# Altium PCB RFID_DACS-01.PcbDoc (part 1 of 2)
Units mil, origin at the board's own origin, x right, y up, seen from the top; angles counter-clockwise.
Board outline 4330.71 x 2755.91 mil, 2 copper layers (Top Layer, Bottom Layer); 189 components, 142 nets, 630 pads, 156 vias.
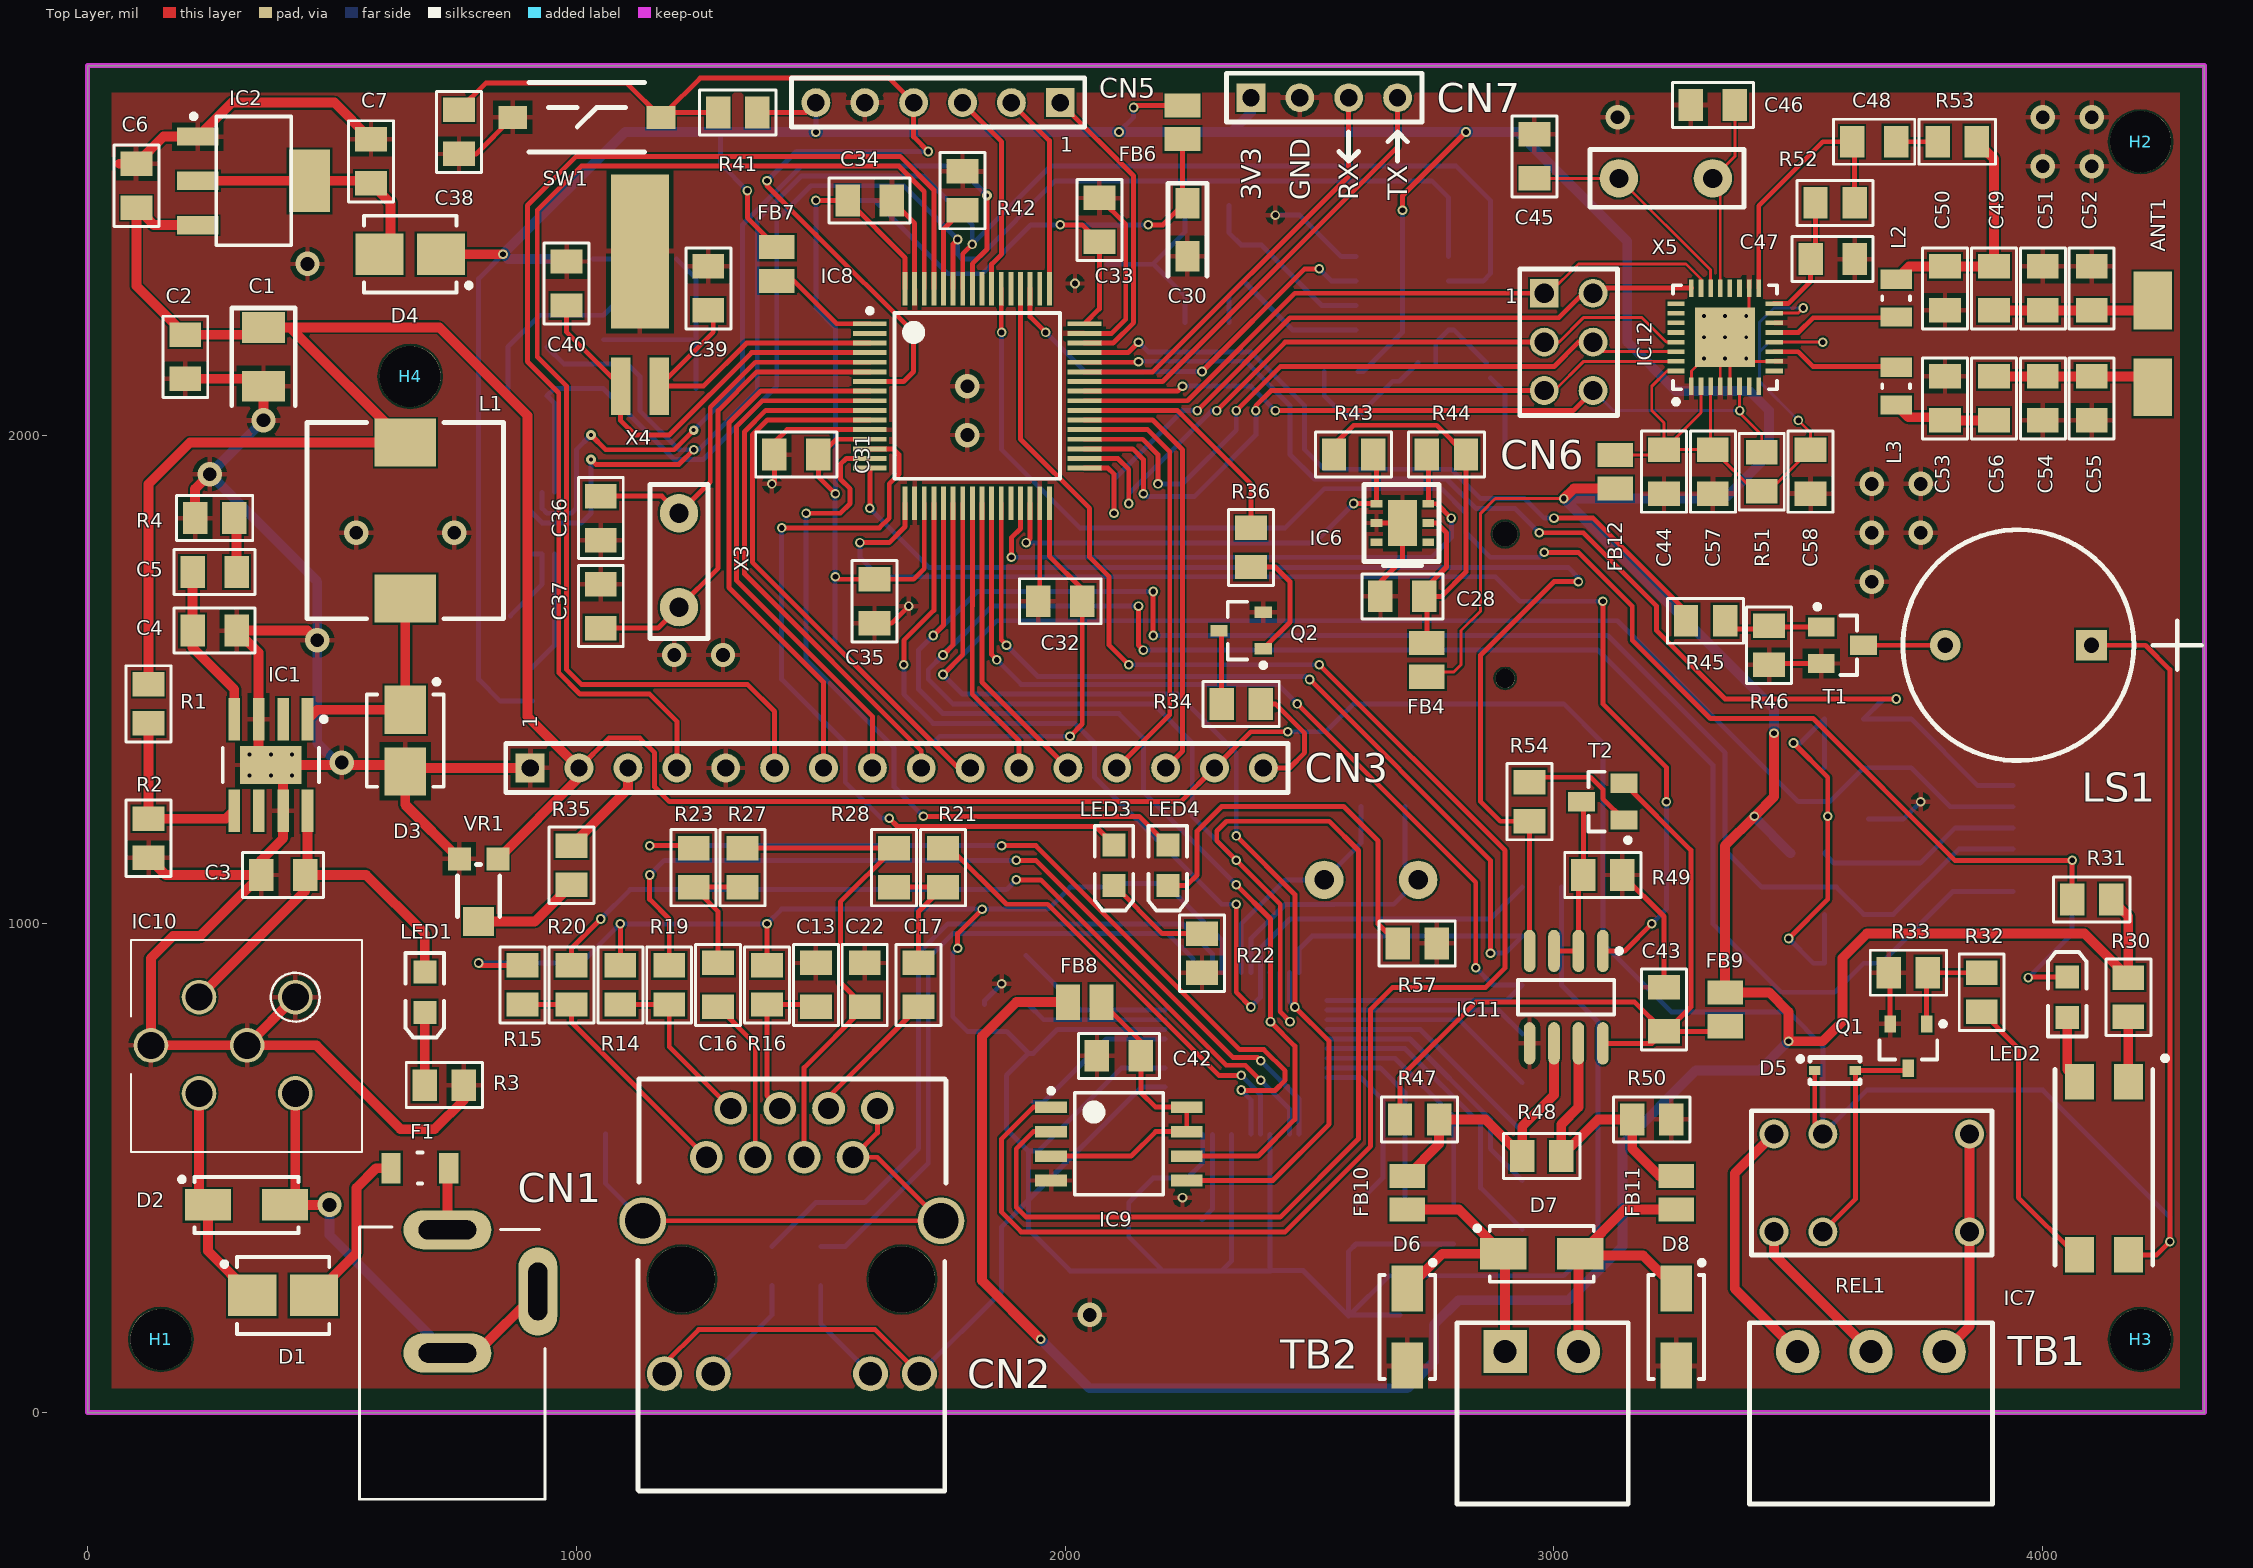
[diagram p0: Top Layer view]
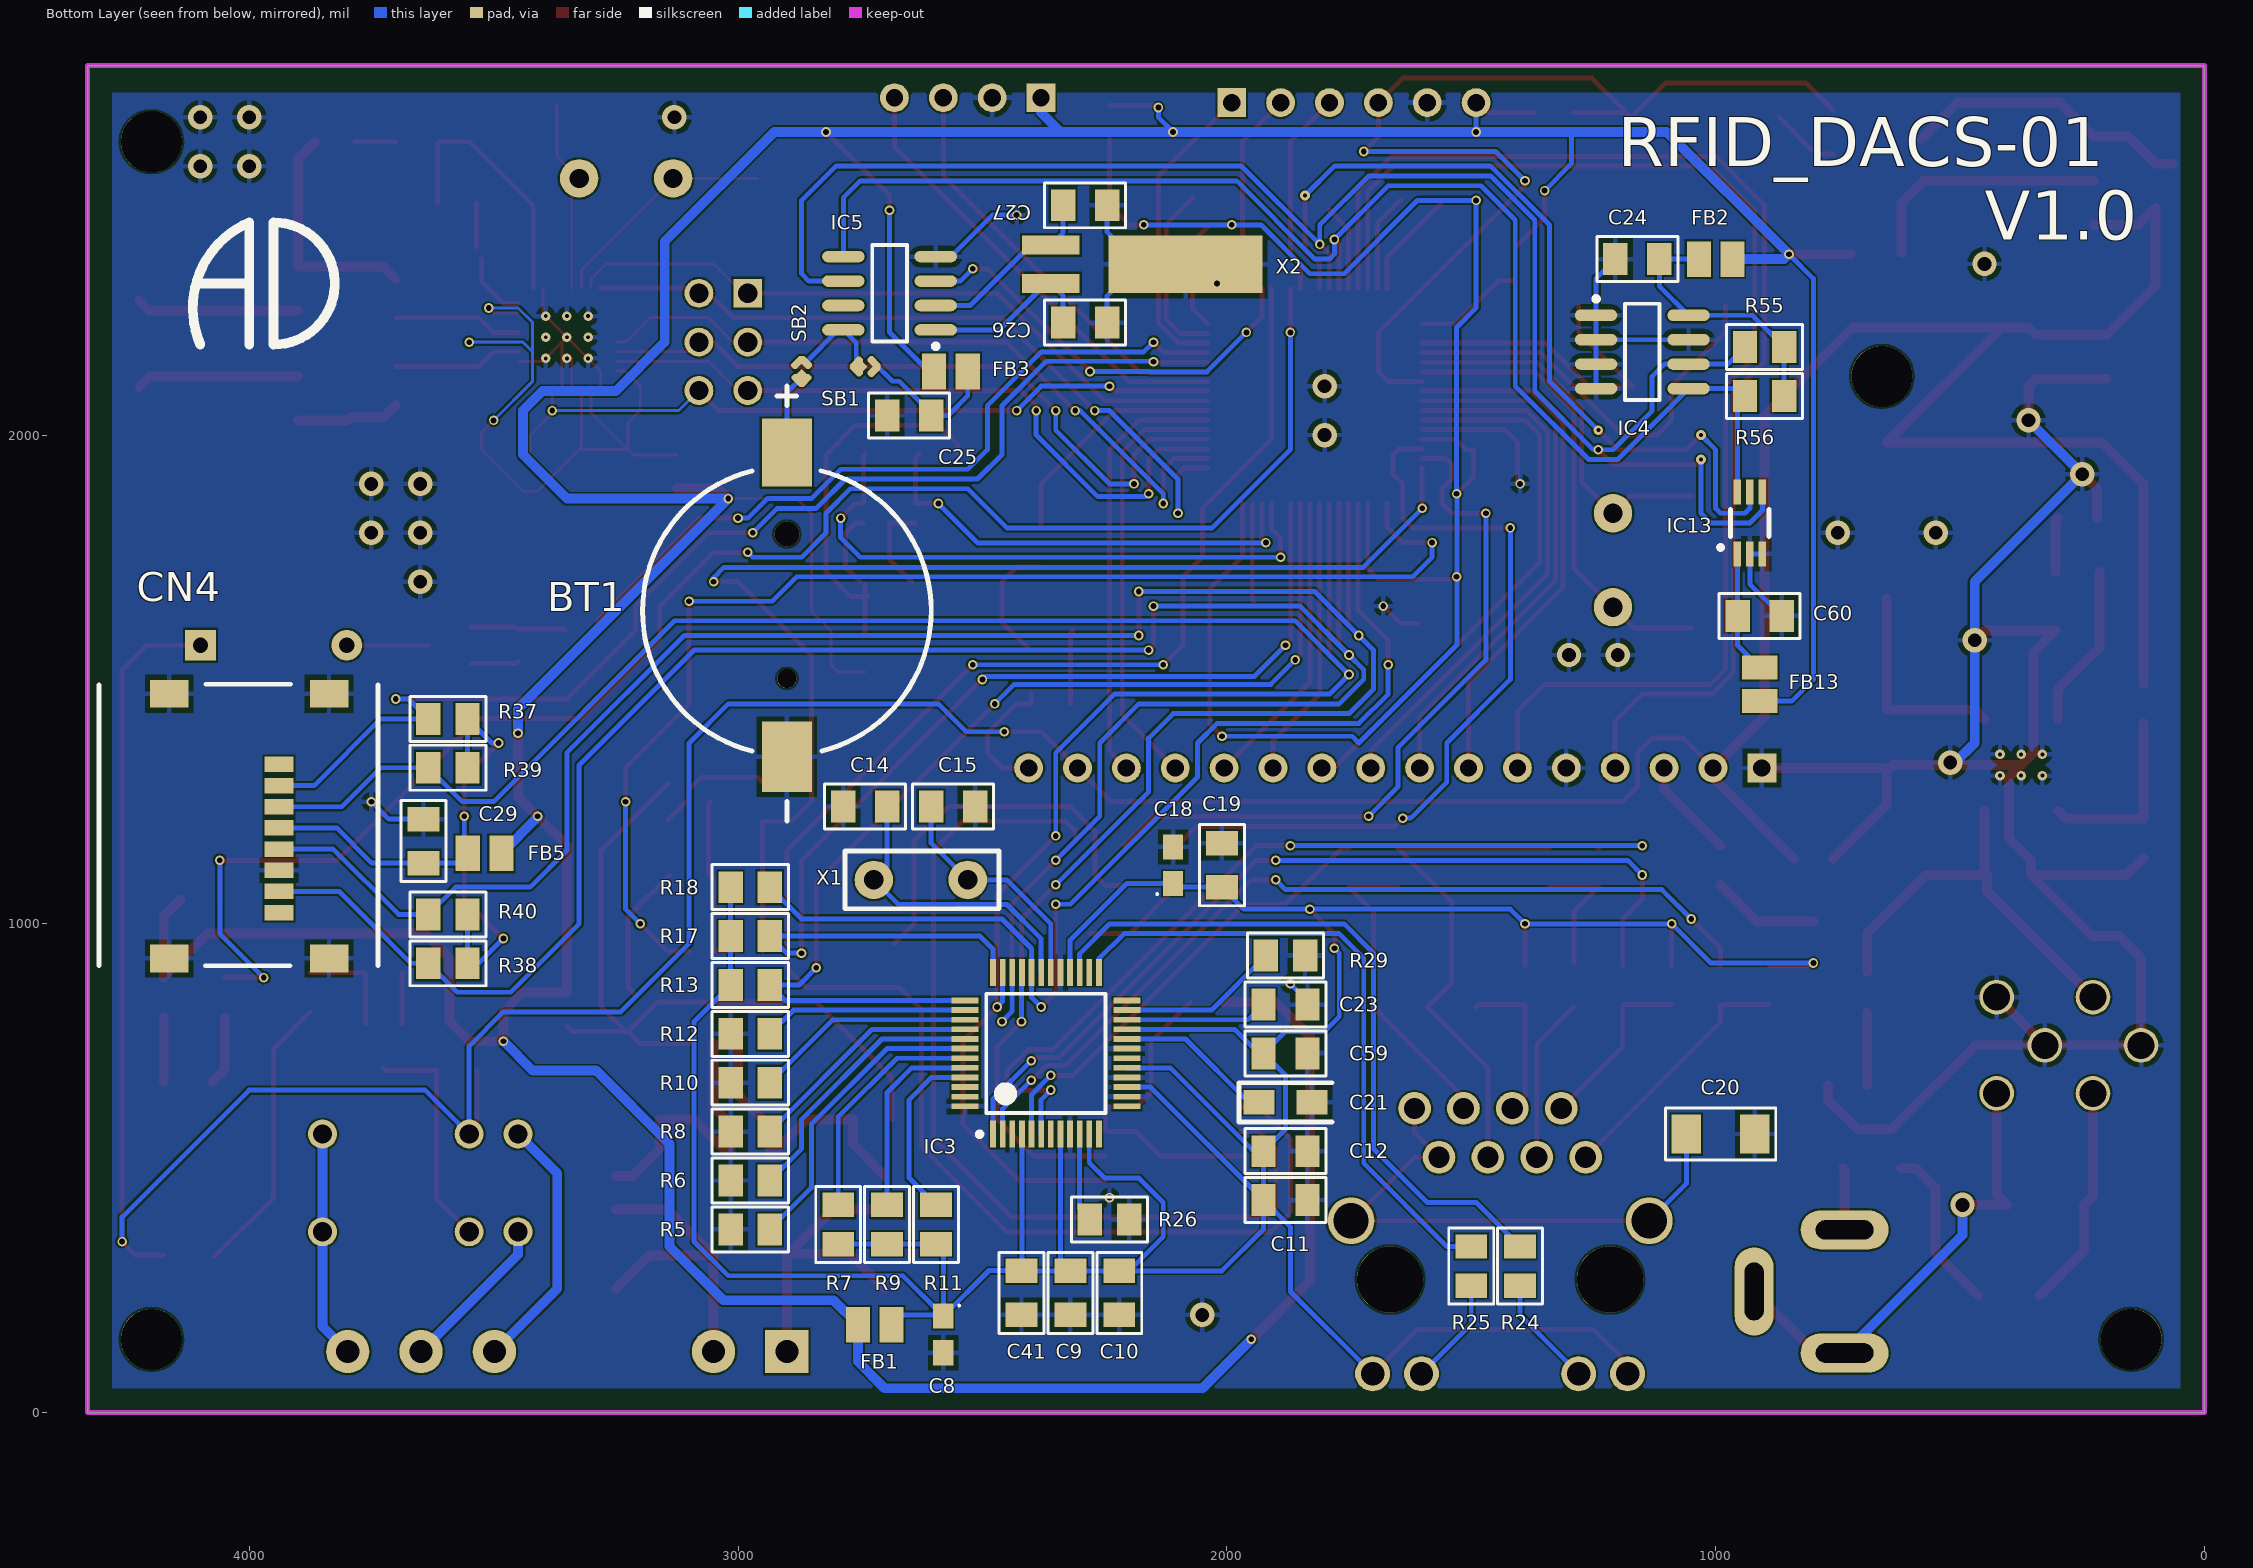
[diagram p1: Bottom Layer view, seen from below]

## Layer stack, top to bottom
Top Solder: solder mask 0.4, Solder Resist, Dk 3.5
Top Layer: signal copper 1.4
Dielectric 1: dielectric 12.6, FR-4, Dk 4.8
Bottom Layer: signal copper 1.4
Bottom Solder: solder mask 0.4, Solder Resist, Dk 3.5

## Board outline
0,0 4330.71,0 4330.71,2755.91 0,2755.91

## Design rules (kind name [scope] priority, off if disabled: settings)
AssemblyTestPointUsage SilkToBoardRegionClearance_1 [All] p2:
AssemblyTestPointUsage SilkToBoardRegionClearance_2 [All] p3:
Clearance [All] p1: gap=4 except(6: Arc-Text Track-Text SMDPad-Text THPad-Text Via-Text Fill-Text Poly-Text Region-Text Text-Text)
HoleSize [All] p1: absolutevalues=TRUE maxlimit=250 minlimit=11.81 maxpercent=80.000 minpercent=20.000
MatchedLengths DiffPair_DIFF100MatchedLengths [InDifferentialPairClass('DIFF100')] p1: tolerance=6 checknetsindiffpair=TRUE checkdiffpairvsdiffpair=FALSE checkxsignals=FALSE checkothers=FALSE
MinimumSolderMaskSliver [All] p1: minsoldermaskwidth=3.94
MinimumSolderMaskSliver SilkscreenOverComponentPads_2 [All] p2: minsoldermaskwidth=10
MinimumSolderMaskSliver SilkToSolderMaskClearance_1 [IsPad] p3: minsoldermaskwidth=10
MinimumSolderMaskSliver SilkscreenOverComponentPads_1 [All] p4: minsoldermaskwidth=10
MinimumSolderMaskSliver SilkToSolderMaskClearance [IsPad] p5: minsoldermaskwidth=10
MinimumSolderMaskSliver SilkscreenOverComponentPads [All] p6: minsoldermaskwidth=10
PolygonConnect [All] p1: connectstyle=Relief reliefconductorwidth=10 reliefentries=4 polygonreliefangle="90 Angle" airgapwidth=10
RoutingVias [All] p1: holewidth=7.87 width=15.75 viastyle="Through Hole" minholewidth=7.87 minwidth=19.68 maxholewidth=19.68 maxwidth=39.37
SilkToSolderMaskClearance SilkToSolderMaskClearance_2 [IsPad] p1: minsilkscreentomaskgap=10 clearancetoexposedcopper=TRUE
SolderMaskExpansion [All] p1: expansion=4
Width [All] p1: maxlimit=20 minlimit=6 preferedwidth=10
27 further rules are at their usual default settings.

## Components (designator, comment, footprint, x,y, rotation, side; value= is the part's Value field where it differs from the comment)
ANT1 "COIL_ANTENNA_PAD" COIL_ANTENNA_PAD 4225,2275 r270 top (schematic designator M1)
BT1 "BATTERY" MPD_BC501SM 2900,1640 r90 bottom
C1 "CAP_P" CAPMP3528X19N_EIA-1210_CASE-B 360,2160 r270 top
C2 "CAP_NP" CAPC2012X100N_EIA0805 200,2160 r90 top
C3 "CAP_NP" CAPC2012X100N_EIA0805 400,1100 r0 top
C4 "CAP_NP" CAPC2012X100N_EIA0805 260,1600 r180 top
C5 "CAP_NP" CAPC2012X100N_EIA0805 260,1720 r180 top
C6 "CAP_NP" CAPC2012X100N_EIA0805 100,2510 r270 top
C7 "CAP_NP" CAPC2012X100N_EIA0805 580,2560 r270 top
C8 "CAP_P" CAPMP2013X12N_EIA-0805_CASE-R 2580,160 r270 bottom
C9 "CAP_NP" CAPC2012X100N_EIA0805 2320,245 r90 bottom
C10 "CAP_NP" CAPC2012X100N_EIA0805 2220,245 r90 bottom
C11 "CAP_NP" CAPC2012X100N_EIA0805 1880,435 r0 bottom
C12 "CAP_NP" CAPC2012X100N_EIA0805 1880,535 r0 bottom
C13 "CAP_NP" CAPC2012X100N_EIA0805 1490,875 r90 top
C14 "CAP_NP" CAPC2012X100N_EIA0805 2740,1240 r0 bottom
C15 "CAP_NP" CAPC2012X100N_EIA0805 2560,1240 r180 bottom
C16 "CAP_NP" CAPC2012X100N_EIA0805 1290,875 r90 top
C17 "CAP_NP" CAPC2012X100N_EIA0805 1700,875 r90 top
C18 "CAP_P" CAPMP2013X12N_EIA-0805_CASE-R 2110,1120 r90 bottom
C19 "CAP_NP" CAPC2012X100N_EIA0805 2010,1120 r270 bottom
C20 "CAP_NP" CAPC3216X125N_EIA1206 990,570 r180 bottom
C21 "CAP_P" CAPMP3216X16N_EIA-1206_CASE-A 1880,635 r180 bottom
C22 "CAP_NP" CAPC2012X100N_EIA0805 1590,875 r270 top
C23 "CAP_NP" CAPC2012X100N_EIA0805 1880,835 r0 bottom
C24 "CAP_NP" CAPC2012X100N_EIA0805 1160,2360 r180 bottom
C25 "CAP_NP" CAPC2012X100N_EIA0805 2650,2040 r180 bottom
C26 "CAP_NP" CAPC2012X100N_EIA0805 2290,2230 r0 bottom
C27 "CAP_NP" CAPC2012X100N_EIA0805 2290,2470 r0 bottom
C28 "CAP_NP" CAPC2012X100N_EIA0805 2690,1670 r0 top
C29 "CAP_NP" CAPC2012X100N_EIA0805 3643.39,1169.33 r90 bottom
C30 "CAP_P" CAPMP3216X16N_EIA-1206_CASE-A 2250,2420 r270 top
C31 "CAP_NP" CAPC2012X100N_EIA0805 1450,1960 r0 top
C32 "CAP_NP" CAPC2012X100N_EIA0805 1990,1660 r0 top
C33 "CAP_NP" CAPC2012X100N_EIA0805 2070,2440 r270 top
C34 "CAP_NP" CAPC2012X100N_EIA0805 1600,2480 r180 top
C35 "CAP_NP" CAPC2012X100N_EIA0805 1610,1660 r90 top
C36 "CAP_NP" CAPC2012X100N_EIA0805 1050,1830 r270 top
C37 "CAP_NP" CAPC2012X100N_EIA0805 1050,1650 r90 top
C38 "CAP_NP" CAPC2012X100N_EIA0805 760,2620 r90 top
C39 "CAP_NP" CAPC2012X100N_EIA0805 1270,2300 r90 top
C40 "CAP_NP" CAPC2012X100N_EIA0805 980,2310 r90 top
C41 "CAP_NP" CAPC2012X100N_EIA0805 2420,245 r90 bottom
C42 "CAP_NP" CAPC2012X100N_EIA0805 2110,730 r0 top
C43 "CAP_NP" CAPC2012X100N_EIA0805 3225,825 r270 top
C44 "CAP_NP" CAPC2012X100N_EIA0805 3225,1925 r90 top
C45 "CAP_NP" CAPC2012X100N_EIA0805 2960,2570 r90 top
C46 "CAP_NP" CAPC2012X100N_EIA0805 3325,2675 r180 top
C47 "CAP_NP" CAPC2012X100N_EIA0805 3570,2360 r180 top
C48 "CAP_NP" CAPC2012X100N_EIA0805 3655,2600 r180 top
C49 "CAP_NP" CAPC2012X100N_EIA0805 3900,2300 r270 top
C50 "CAP_NP" CAPC2012X100N_EIA0805 3800,2300 r90 top
C51 "CAP_NP" CAPC2012X100N_EIA0805 4000,2300 r270 top
C52 "CAP_NP" CAPC2012X100N_EIA0805 4100,2300 r270 top
C53 "CAP_NP" CAPC2012X100N_EIA0805 3800,2075 r90 top
C54 "CAP_NP" CAPC2012X100N_EIA0805 4000,2075 r270 top
C55 "CAP_NP" CAPC2012X100N_EIA0805 4100,2075 r270 top
C56 "CAP_NP" CAPC2012X100N_EIA0805 3900,2075 r90 top
C57 "CAP_NP" CAPC2012X100N_EIA0805 3325,1925 r90 top
C58 "CAP_NP" CAPC2012X100N_EIA0805 3525,1925 r90 top
C59 "CAP_NP" CAPC2012X100N_EIA0805 1880,735 r0 bottom
C60 "CAP_NP" CAPC2012X100N_EIA0805 910,1630 r180 bottom
CN1 "DC_JACK" DC_JACK 736.22,374.02 r180 top locked
CN2 "HR911105A" HANRUN_HR911105A 1440.94,272.52 r180 top locked
CN3 "HDR_1X16" HDRFV16W70P254_1X16_4064X254X1118P 905.51,1318.9 r0 top locked
CN4 "MICRO-SD" MOLEX_0472192001 4000,1200 r270 bottom
CN5 "HDR_1X6" HDRFV6W70P254_1X6_1524X254X1118P 1990,2680 r180 top
CN6 "HDR_2X3" HDRV6W64P254_2X3_762X508X600P 2980,2290 r0 top
CN7 "HDR_1X4" HDRFV4W70P254_1X4_1016X254X1118P 2380,2690 r0 top
D1 "DIODE_SCHOTTKY" DIOM4436X24N_DO-214AA_SMB 400,240 r0 top
D2 "DIODE_TVS_UNI" DIOM5126X26N_DO-214AC_SMA 325,425 r0 top
D3 "DIODE_SCHOTTKY" DIOM4436X24N_DO-214AA_SMB 650,1375 r270 top
D4 "DIODE_SCHOTTKY" DIOM4436X24N_DO-214AA_SMB 660,2370 r180 top
D5 "DIODE" SOD323 3575,700 r0 top
D6 "DIODE_TVS_UNI" DIOM5126X26N_DO-214AC_SMA 2700,175 r270 top
D7 "DIODE_TVS_BI" DIOM5126X26N_DO-214AC_SMA 2975,325 r0 top
D8 "DIODE_TVS_UNI" DIOM5126X26N_DO-214AC_SMA 3250,175 r270 top
F1 "PTC" FUSEC3216X16N 680,500 r180 top
FB1 "BEAD" FILC2012X100N_EIA0805 2720,180 r0 bottom
FB2 "BEAD" FILC2012X100N_EIA0805 1000,2360 r0 bottom
FB3 "BEAD" FILC2012X100N_EIA0805 2564.45,2130 r180 bottom
FB4 "BEAD" FILC2012X100N_EIA0805 2740,1540 r90 top
FB5 "BEAD" FILC2012X100N_EIA0805 3518.39,1144.33 r0 bottom
FB6 "BEAD" FILC2012X100N_EIA0805 2240,2640 r270 top
FB7 "BEAD" FILC2012X100N_EIA0805 1410,2350 r90 top
FB8 "BEAD" FILC2012X100N_EIA0805 2040,840 r0 top
FB9 "BEAD" FILC2012X100N_EIA0805 3350,825 r270 top
FB10 "BEAD" FILC2012X100N_EIA0805 2700,450 r90 top
FB11 "BEAD" FILC2012X100N_EIA0805 3250,450 r90 top
FB12 "BEAD" FILC2012X100N_EIA0805 3125,1925 r90 top
FB13 "BEAD" FILC2012X100N_EIA0805 910,1490 r90 bottom
H1 "HOLES" HOLE_125MIL 150,150 r0 top
H2 "HOLES" HOLE_125MIL 4200,2600 r0 top
H3 "HOLES" HOLE_125MIL 4200,150 r0 top
H4 "HOLES" HOLE_125MIL 660,2120 r0 top
IC1 "L5973AD" SOP127P600X200_HS-9N 375,1325 r270 top
IC2 "TLV1117LV33DCYR" SOT230P700X180-4N_[TEXAS]R-PDSO-G4 340,2520 r0 top
IC3 "W5500" QFP50P900X900X160-48N 2370,735 r90 bottom
IC4 "AT24C256" SOIC127P600X175-8N 1150,2170 r180 bottom
IC5 "PC58563" SOIC127P600X175-8N 2690,2290 r0 bottom
IC6 "SHT21" SHT21 2690,1820 r180 top
IC7 "PC817" SMD-4 4125,500 r270 top
IC8 "STM32F103RCT6" QFP50P1200X1200X160-64N 1820,2080 r0 top
IC9 "W25Q16" SOIC127P780X216-8N 2110,550 r0 top
IC10 "BNX002-01" MURATA_BNX002-01 325,750 r180 top
IC11 "MAX3485" SOIC127P600X175-8N 3025,850 r270 top
IC12 "MFRC522" QFN50P500X500X100_HS-33N_[NXP]SOT617-1 3350,2200 r90 top
IC13 "TSL256x" DFN-6 930,1820 r90 bottom
L1 "INDUCTOR" TDK_SLF10145T-100M2R5-PF 650,1825 r90 top
L2 "INDUCTOR" INDC2115X13N_EIA0805 3700,2280 r90 top
L3 "INDUCTOR" INDC2115X13N_EIA0805 3700,2100 r270 top
LED1 "LED" LEDC2012X70N_EIA0805_GREEN 690,860 r90 top
LED2 "LED" LEDC2012X70N_EIA0805_RED 4050,850 r270 top
LED3 "LED" LEDC2012X70N_EIA0805_RED 2100,1120 r90 top
LED4 "LED" LEDC2012X70N_EIA0805_RED 2210,1120 r90 top
LS1 "BUZZER" BUZZER_12MM 3950,1570 r180 top
Q1 "BC817" SOT95P230X110-3N_SOT-23 3725,750 r270 top
Q2 "BC817" SOT95P230X110-3N_SOT-23 2360,1600 r180 top
R1 "RES" RESC2013X65N_EIA0805 125,1450 r270 top
R2 "RES" RESC2013X65N_EIA0805 125,1175 r270 top
R3 "RES" RESC2013X65N_EIA0805 730,670 r0 top
R4 "RES" RESC2013X65N_EIA0805 260,1830 r180 top
R5 "RES" RESC2013X65N_EIA0805 2975,375 r0 bottom
R6 "RES" RESC2013X65N_EIA0805 2975,475 r0 bottom
R7 "RES" RESC2013X65N_EIA0805 2795,385 r270 bottom
R8 "RES" RESC2013X65N_EIA0805 2975,575 r0 bottom
R9 "RES" RESC2013X65N_EIA0805 2695,385 r270 bottom
R10 "RES" RESC2013X65N_EIA0805 2975,675 r0 bottom
R11 "RES" RESC2013X65N_EIA0805 2595,385 r270 bottom
R12 "RES" RESC2013X65N_EIA0805 2975,775 r0 bottom
R13 "RES" RESC2013X65N_EIA0805 2975,875 r0 bottom
R14 "RES" RESC2013X65N_EIA0805 1090,875 r270 top
R15 "RES" RESC2013X65N_EIA0805 890,875 r270 top
R16 "RES" RESC2013X65N_EIA0805 1390,875 r270 top
R17 "RES" RESC2013X65N_EIA0805 2975,975 r180 bottom
R18 "RES" RESC2013X65N_EIA0805 2975,1075 r180 bottom
R19 "RES" RESC2013X65N_EIA0805 1190,875 r270 top
R20 "RES" RESC2013X65N_EIA0805 990,875 r270 top
R21 "RES" RESC2013X65N_EIA0805 1750,1115 r270 top
R22 "RES" RESC2013X65N_EIA0805 2280,940 r270 top
R23 "RES" RESC2013X65N_EIA0805 1240,1115 r270 top
R24 "RES" RESC2013X65N_EIA0805 1400,300 r270 bottom
R25 "RES" RESC2013X65N_EIA0805 1500,300 r270 bottom
R26 "RES" RESC2013X65N_EIA0805 2240,395 r180 bottom
R27 "RES" RESC2013X65N_EIA0805 1340,1115 r90 top
R28 "RES" RESC2013X65N_EIA0805 1650,1115 r90 top
R29 "RES" RESC2013X65N_EIA0805 1880,935 r180 bottom
R30 "RES" RESC2013X65N_EIA0805 4175,850 r270 top
R31 "RES" RESC2013X65N_EIA0805 4100,1050 r180 top
R32 "RES" RESC2013X65N_EIA0805 3875,860 r270 top
R33 "RES" RESC2013X65N_EIA0805 3725,900 r180 top
R34 "RES" RESC2013X65N_EIA0805 2360,1450 r180 top
R35 "RES" RESC2013X65N_EIA0805 990,1120 r270 top
R36 "RES" RESC2013X65N_EIA0805 2380,1770 r90 top
R37 "RES" RESC2013X65N_EIA0805 3593.39,1419.33 r0 bottom
R38 "RES" RESC2013X65N_EIA0805 3593.39,919.33 r0 bottom
R39 "RES" RESC2013X65N_EIA0805 3593.39,1319.33 r0 bottom
R40 "RES" RESC2013X65N_EIA0805 3593.39,1019.33 r0 bottom
R41 "RES" RESC2013X65N_EIA0805 1330,2660 r180 top
R42 "RES" RESC2013X65N_EIA0805 1790,2500 r90 top
R43 "RES" RESC2013X65N_EIA0805 2590,1960 r180 top